# Altium PCB CANOPi_Baseboard.PcbDoc (part 3 of 3)
Units mm, origin at the board's own origin, x right, y up, seen from the top; angles counter-clockwise.
Board outline 92 x 56 mm, 4 copper layers (Top Layer, Int2 (Sign), Int3 (Sign), Bottom Layer), stack 1.624 mm thick; 181 components, 118 nets, 788 pads, 409 vias.
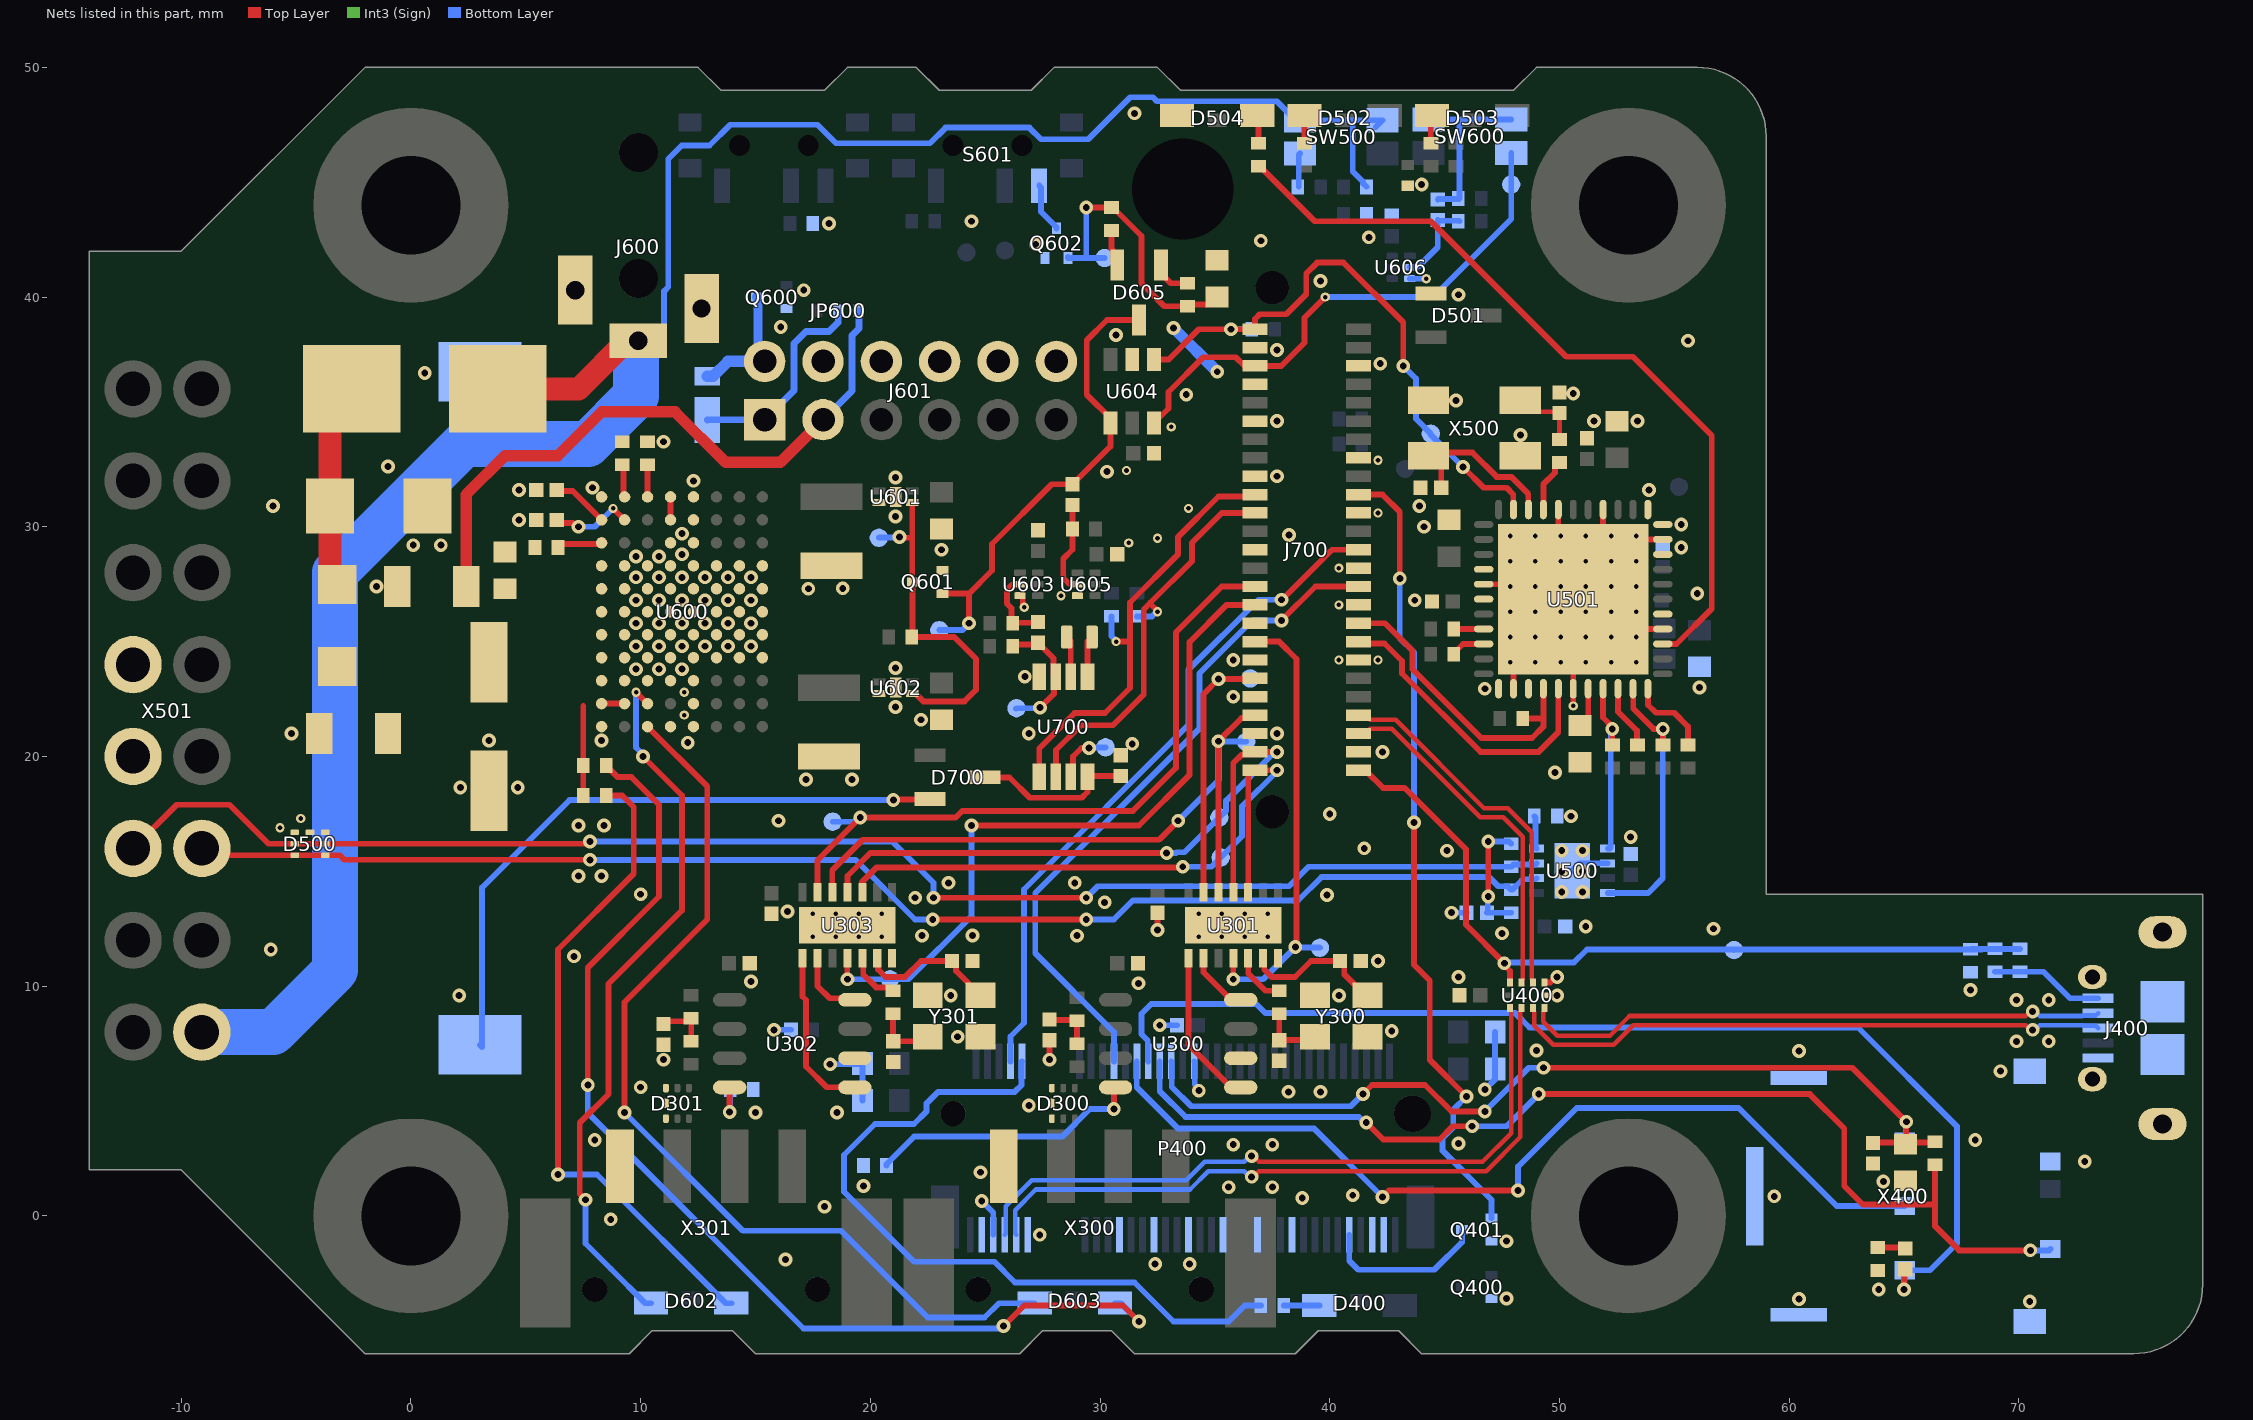
[diagram p5: the nets of this part, all layers, seen from the top]

## Via types
v1: diameter 0.6, hole 0.3, Top Layer to Bottom Layer, tented both sides, 284 vias
v2: diameter 0.5, hole 0.2, Top Layer to Bottom Layer, 50 vias
v3: diameter 0.6, hole 0.3, Top Layer to Bottom Layer, tented top, 33 vias
v4: diameter 0.4, hole 0.2, Top Layer to Bottom Layer, tented both sides, 32 vias
v5: diameter 0.6, hole 0.3, Top Layer to Bottom Layer, 6 vias
v6: diameter 0.5, hole 0.2, Top Layer to Bottom Layer, tented bottom, 2 vias
v7: diameter 0.4, hole 0.2, Top Layer to Bottom Layer, tented top, 2 vias

## Nets (pads, with @x,y where several pads share a name; then routed paths per layer and width w, separated by ;. In a path a pad name is that pad's centre, name@x,y a point inside that pad or via, vN(x,y) a via of type N, cw(c..) or ccw(c..) an arc to the next point about the centre after c; other vN are vias at no path point) (continued)
GND: BT700.V- C300.2 C301.1 C302.1 C303.2 C304.1 C305.1 C306.1 C307.1 C308.1 C309.1 C310.1 C311.1 C400.2 C401.2 C402.1 C403.2 C404.2 C406.2 C407.2 C500.1 C501.1 C502.2 C503.1 C504.2 C505.2 C506.1 C507.1 C508.2 C509.1 C510.2 C511.1 C512.1 C600.2 C601.1 C602.1 C603.1 C604.1 C605.2 C606.2 C607.2 C608.1 C609.2 C612.2 C613.2 C614.2 C616.2 C617.2 C700.1 D300.3 D300.4 D300.7 D301.3 D301.4 D301.7 D500.3 D500.4 D500.7 D501.1 D504.C D601.A J400.5 J400.Shell J600.2 J600.3 J601.4 J601.6 J601.8 J601.10 J601.12 J700.3 J700.6 J700.10 J700.13 J700.14 J700.18 J700.19 J700.23 J700.26 J700.29 J700.34 J700.35 J700.40 J700.44 J700.45 J700.48 JP500.1 MP1.1 P400.3 P400.5 P400.11 P400.27 P400.33 P400.39 P400.40 P400.45 P400.51 P400.57 P400.71 P400.73 Q400.S Q401.S Q600.S Q601.S Q602.S R306.2 R307.2 R400.1 R404.1 R504.2 R505.2 R602.2 R603.1 R605.1 R610.1 U300.2 U301.7 U301.15 U302.2 U303.7 U303.15 U400.5 U400.6 U500.2 U500.9 U501.1 U501.2 U501.3 U501.6 U501.15 U501.16 U501.20 U501.21 U501.22 U501.23 U501.26 U501.29 U501.37 U501.38 U501.39 U501.45 U600.A1 U600.A5 U600.B5 U600.C4 U600.C5 U600.D2 U600.D3 U600.D4 U600.D5 U600.D6 U600.D7 U600.D8 U600.E2 U600.E3 U600.E4 U600.E5 U600.E6 U600.E7 U600.E8 U600.F2 U600.F3 U600.F4 U600.F5 U600.F6 U600.F7 U600.F8 U600.G2 U600.G3 U600.G4 U600.G5 U600.G6 U600.G7 U600.G8 U600.H2 U600.H3 U600.H4 U600.H5 U600.H6 U600.H7 U600.H8 U600.J2 U600.J3 U600.J4 U600.J5 U600.K5 U600.L1 U600.L4 U600.L5 U601.2 U601.5 U602.2 U602.5 U603.3 U604.2 U605.3 U606.3 U700.4 X300.1 X301.1 X400.6 X400.7 X500.2 X500.4 X501.4 X501.5 Y300.2 Y300.4 Y301.2 Y301.4 | length 47.7
  Top Layer w0.254: U603.3@26.515,27 26.61,27 26.633,26.977 26.633,26.607 26.7,26.54 v4(26.7,26.5) ; v1(27.8,6.8) C300.2@27.8,7.65 ; v1(32.5,12.45) C305.1@32.5,13.2 ; U501.38@46.7,27.5 49.95,27.5 U501.29@49.95,30.75 ; U501.2@48,22.95 48,24.25 v2(48.95,25.2) v2(50.05,26.3) U501.45@50.6,26.85 ; U400.6@49.35,10.16 49.602,10.16 v1@49.721,10.279 ; U400.5@49.41,9.6 v1@49.602,9.6 ; v2(50.05,27.4) U501.45@50.6,26.85 ; v4(50.6,22.2) U501.6@50.6,22.95 U501.45@50.6,26.85 ; U501.26@51.9,30.75 U501.45@51.9,28.15 ; U501.15@54.5,25.55 51.9,25.55 U501.45@50.6,26.85 ; U501.21@54.5,29.45 53.2,29.45 v2(52.25,28.5) U501.45@51.9,28.15 ; U501.45@50.6,26.85 v2(51.15,27.4) U501.45@51.9,28.15
  Bottom Layer w0.254: v1(15.8,8.1) C309.1@16.55,8.1 ; v1(18.25,6.6) 19.63,6.6 C401.2@19.655,6.625 C400.2@19.655,5.025 ; v1(24.85,0.65) 25.35,0.15 P400.5@25.35,-0.825 ; v1(32.6,8.3) C306.1@33.35,8.3 ; P400.40@34.1,6.725 34.123,6.702 34.123,5.721 34.3,5.544 v1(34.3,5.45) ; U606.3@43.485,40.8 v4(44.2,40.8) ; v1(45.3,13.2) C502.2@45.95,13.2 ; v1(46.75,5.5) 47.2,5.95 C404.2@47.2,6.4 C403.2@47.2,8 ; U500.9@50.55,15.025 50.875,15.35 U500.2@52.1,15.35
  Bottom Layer w0.5: v1(33.2,38.65) v1(35.1,36.75)
  other v1: 70.472,-3.728 60.422,-3.622 47.7,-3.6 63.9,-3.2 32.4,-2.1 33.9,-2.1 16.3,-1.9 47.7,-1.1 27.375,-0.825 8.7,-0.15 18,0.4 38.8,0.775 59.35,0.85 41,0.9 35.6,1.25 37.5,1.25 19.7,1.3 64.1,1.5 24.8,1.9 72.87,2.37 35.8,3.1 37.5,3.1 45.6,3.15 8,3.3 68.1,3.3 15,4.5 18.55,4.5 26.9,4.8 38.2,5.4 39.6,5.4 10,5.6 69.2,6.3 11,6.8 60.422,7.178 49,7.2 69.9,7.6 71.3,7.6 23.8,7.8 42.7,8.05 69.9,9.4 71.3,9.4 2.1,9.6 23.5,9.6 40.4,9.6 49.9,9.6 67.9,9.833 31.675,10.125 14.8,10.2 45.6,10.4 49.9,10.4 42.1,11.1 7.1,11.3 -6.1,11.6 22.25,12.2 24.45,12.204 29,12.2 47.5,12.3 56.7,12.5 51.143,12.6 16.392,13.25 30.2,13.65 21.95,13.85 39.878,13.97 10,14 23.4,14.5 28.9,14.5 7.3,14.8 8.3,14.8 45.1,15.9 41.5,16 53.1,16.5 7.3,17 8.4,17 16,17.2 50.5,17.4 40,17.5 2.15,18.65 4.65,18.65 17.2,19 19.2,19 49.8,19.3 42.3,20.2 31.4,20.55 3.4,20.7 8.3,20.7 -5.2,21 26.9,21 37.7,21 22.2,21.6 21.1,22.15 35.8,22.6 46.75,22.95 56.1,23 26.725,23.475 21.1,23.85 35.8,24.2 43.7,26.8 56,27.1 17.3,27.3 18.8,27.321 -1.5,27.4 23.1,29 55.3,29.1 0.1,29.2 1.3,29.2 38.22,29.64 44.1,30 55.3,30.1 4.7,30.3 21.1,30.45 -6,30.9 43.9,30.9 4.7,31.6 53.9,31.6 7.9,31.7 21.1,32.15 37.7,32.2 30.3,32.4 -1,32.625 11,33.7 48.3,34 37.7,34.6 51.5,34.6 53.4,34.6 45.5,35.5 33.75,35.75 50.6,35.8 0.6,36.7 42.2,37.1 37.7,37.7 55.6,38.1 30.7,38.35 16.1,38.7 45.6,40.1 17.1,40.3 39.6,40.7 27.2,42.3 37,42.45 41.7,42.6 18.2,43.2 24.4,43.3 44,44.9 31.5,48
  other v2: 17.5,12.15 18.5,12.15 19.5,12.15 20.5,12.15 34.3,12.15 35.3,12.15 36.3,12.15 37.3,12.15 17.5,13.15 18.5,13.15 19.5,13.15 20.5,13.15 34.3,13.15 35.3,13.15 36.3,13.15 37.3,13.15 47.85,24.1 48.95,24.1 50.05,24.1 51.15,24.1 52.25,24.1 53.35,24.1 47.85,25.2 50.05,25.2 51.15,25.2 52.25,25.2 53.35,25.2 47.85,26.3 48.95,26.3 51.15,26.3 52.25,26.3 47.85,27.4 48.95,27.4 52.25,27.4 47.85,28.5 48.95,28.5 50.05,28.5 51.15,28.5 53.35,28.5 47.85,29.6 48.95,29.6 50.05,29.6 51.15,29.6 52.25,29.6 53.35,29.6
  other v3: 12.05,20.6 9.8,23.8 10.8,23.8 11.8,23.8 9.8,24.8 10.8,24.8 11.8,24.8 12.8,24.8 13.8,24.8 14.8,24.8 9.8,25.8 10.8,25.8 11.8,25.8 12.8,25.8 13.8,25.8 14.8,25.8 9.8,26.8 10.8,26.8 11.8,26.8 12.8,26.8 13.8,26.8 14.8,26.8 9.8,27.8 10.8,27.8 11.8,27.8 12.8,27.8 13.8,27.8 14.8,27.8 9.8,28.7 10.8,28.7 11.8,28.8 11.8,29.7 12.3,32
  other v4: -5.7,16.9 -4.8,17.3 40.4,24.2 42.1,24.2 40.4,26.6 28.3,27 40.4,28.2 31.25,29.3 32.5,29.5 42.1,30.6 33.85,30.8 31.15,32.45 42.1,32.9 33.1,34.35
  other v5: 50.1,14.1 51,14.1 50.1,15 51,15 50.1,15.9 51,15.9
  other v6: 53.35,26.3 53.35,27.4
  other v7: 11.9,21.8 11.9,22.8
HS_CAN_RX: R516.1 U500.4 U501.10 | length 12.4
  Top Layer w0.254: U501.10@53.2,22.95 53.209,22.941 53.209,22.091 54.1,21.2 v1(54.5,21.2) R516.1@54.5,20.5
  Bottom Layer w0.254: U500.4@52.1,14.05 53.85,14.05 54.5,14.7 v1(54.5,21.2)
HS_CAN_TX: R510.1 U500.1 U501.8 | length 7.9
  Top Layer w0.254: U501.8@51.9,22.95 51.9,21.694 52.3,21.294 v1(52.3,21.2) R510.1@52.3,20.5
  Bottom Layer w0.254: U500.1@52.1,16 52.186,16 52.234,16.048 52.234,21.134 v1(52.3,21.2)
HS_CANH: D500.2 D500.5 R500.2 U500.7 X501.6 | length 64.6
  Top Layer w0.254: X501.6@-12.1,16 -10.2,17.9 -7.9,17.9 -6.2,16.2 D500.5@-5.065,16.2 D500.2@-3.735,16.2 7.606,16.2 7.706,16.3 v1(7.8,16.3) ; v1(22.75,13.85) v1(29.4,13.85)
  Bottom Layer w0.254: v1(7.8,16.3) 20.95,16.3 22.75,14.5 v1(22.75,13.85) ; v1(29.4,13.85) 29.9,14.35 38.226,14.35 39.076,15.2 R500.2@47.9,15.2 48.002,15.302 48.952,15.302 U500.7@49,15.35
HS_CANL: D500.1 D500.6 R501.1 U500.6 X501.14 | length 60.6
  Top Layer w0.254: X501.14@-9.1,16 -8.802,15.702 -5.067,15.702 D500.6@-5.065,15.7 D500.1@-3.735,15.7 -3.094,15.7 -2.9,15.506 7.7,15.506 7.7,15.5 v1(7.8,15.5) ; v1(22.718,12.903) 22.72,12.902 29.398,12.902 v1(29.4,12.9)
  Bottom Layer w0.254: v1(7.8,15.5) 19.35,15.5 21.947,12.903 v1(22.718,12.903) ; v1(29.4,12.9) 30.6,12.9 31.427,13.727 38.619,13.727 39.638,14.746 46.941,14.746 47.339,14.348 47.752,14.348 R501.1@47.9,14.2 47.95,14.2 48.348,14.598 48.36,14.598 48.414,14.652 48.952,14.652 U500.6@49,14.7
I2C_SCL: J700.30 R700.1 U700.6 | length 18.2
  Top Layer w0.254: U700.6@28.075,19.125 28.081,19.131 28.081,20.281 29.16,21.36 30.56,21.36 31.9,22.7 31.9,26.4 32.2,26.7 ; v4(32.5,26.3) 32.5,26.34 32.2,26.64 32.2,26.7 ; J700.30@36.75,30.6 35.3,30.6 34,29.3 34,28.5 32.2,26.7
  Bottom Layer w0.254: R700.1@31.6,26.1 32.26,26.1 32.46,26.3 v4(32.5,26.3)
I2C_SDA: J700.32 R701.1 U700.5 | length 19.6
  Top Layer w0.254: U700.5@27.35,19.125 27.35,20.35 28.894,21.894 30.212,21.894 31.3,22.982 31.3,25 ; v4(30.7,25) 31.3,25 ; J700.32@36.75,31.4 36.669,31.319 35.159,31.319 33.4,29.56 33.4,28.8 31.3,26.7 31.3,25
  Bottom Layer w0.254: R701.1@30.5,26.1 30.5,25.24 30.7,25.04 v4(30.7,25)
LED_STATUS: R515.2 U501.14 | length 34.9
  Top Layer w0.254: R515.2@36.9,45.7 36.95,45.7 39.35,43.3 44.4,43.3 50.3,37.4 53.2,37.4 56.627,33.973 56.627,26.427 55.1,24.9 U501.14@54.5,24.9
LOCKDOWN: C611.1 D605.3 Q601.G TP603.1 U604.4 | length 21
  Top Layer w0.254: Q601.G@23.145,27.1 24.3,27.1 ; v1(24.3,25.8) 24.3,27.1 ; D605.3@31.7,39 30.3,39 29.423,38.123 29.423,35.752 30.45,34.725 U604.4@30.45,34.525 30.45,33.5 C611.1@28.8,31.85 27.9,31.85 25.3,29.25 25.3,28.1 24.3,27.1
  Bottom Layer w0.254: TP603.1@23,25.5 24,25.5 v1(24.3,25.8)
MISO_CAN: J700.8 TP302.1 U301.12 U303.12 | length 31.1
  Top Layer w0.254: U303.12@18.342,14.04 18.342,15.042 19.673,16.373 32.573,16.373 v1(33.4,17.2) ; U301.12@35.15,14.04 U301.12@35.15,14.09 v1(35.15,20.662) 36.165,21.677 36.627,21.677 J700.8@36.75,21.8
  Bottom Layer w0.254: v1(33.4,17.2) 35.15,18.95 v1(35.15,20.662) 35.161,20.651 36.349,20.651 TP302.1@36.36,20.64
MOSI_CAN: J700.4 TP301.1 U301.11 U303.11 | length 29.8
  Top Layer w0.254: U303.11@18.992,14.04 19,14.048 U303.11@19,14.09 19,14.8 20,15.8 v1(32.9,15.8) ; U301.11@35.8,14.04 U301.11@35.8,14.09 35.8,19.712 36.165,20.077 36.627,20.077 J700.4@36.75,20.2 v1(37.7,20.2)
  Bottom Layer w0.254: v1@32.834,15.866 v1(32.9,15.8) 33.313,15.8 33.34,15.827 33.677,15.827 TP301.1@35.193,17.343 35.49,17.64 35.49,18.077 37.613,20.2 v1(37.7,20.2)
nCS1_CAN: J700.12 TP303.1 U301.13 | length 12.6
  Top Layer w0.254: U301.13@34.5,14.04 U301.13@34.5,14.09 34.5,22.71 v1(35.16,23.37) 36.72,23.37 J700.12@36.75,23.4
  Bottom Layer w0.254: v1(35.16,23.37) 35.175,23.385 36.525,23.385 TP303.1@36.54,23.4
nCS2_CAN: J700.22 TP305.1 U303.13 | length 30.2
  Top Layer w0.254: U303.13@17.692,14.04 17.692,15.472 v1(19.56,17.34) 23.713,17.34 24,17.627 31.427,17.627 33.3,19.5 33.3,25.4 35.3,27.4 J700.22@36.75,27.4
  Bottom Layer w0.254: TP305.1@18.36,17.16 19.286,17.16 19.466,17.34 v1(19.56,17.34)
NetC300_1: C300.1 R300.1 R301.2 | length 2.2
  Top Layer w0.254: C300.1@27.8,8.55 27.825,8.525 28.975,8.525 R301.2@29,8.5 R300.1@29,7.5
NetC302_2: C302.2 R302.1 Y300.3 | length 2.8
  Top Layer w0.254: R302.1@37.8,8.8 C302.2@37.8,7.65 39.2,7.65 Y300.3@39.35,7.8
NetC303_1: C303.1 R303.1 R304.2 | length 2.3
  Top Layer w0.254: C303.1@11,8.35 11.125,8.475 12.075,8.475 R304.2@12.2,8.6 R303.1@12.2,7.6
NetC311_2: C311.2 R305.1 Y301.3 | length 2.8
  Top Layer w0.254: R305.1@20.992,8.8 C311.2@20.992,7.6 22.3,7.6 Y301.3@22.5,7.8
NetC405_1: C405.1 R404.2 | length 1.2
  Top Layer w0.254: R404.2@63.855,-1.375 65.005,-1.375 C405.1@65.055,-1.425
NetC502_1: C502.1 R500.1 R501.2 | length 5.2
  Top Layer w0.254: v1@46.846,16.246 46.9,16.191 v1(46.9,13.9)
  Bottom Layer w0.254: v1(46.9,13.9) 46.875,13.875 46.875,13.225 C502.1@46.85,13.2 R501.2@47.9,13.2 ; v1(46.9,16.3) 47.8,16.3 R500.1@47.9,16.2
NetC510_1: C510.1 U501.7 | length 1.8
  Top Layer w0.254: C510.1@50.9,21.35 50.927,21.35 51.25,21.673 U501.7@51.25,22.95
NetC511_2: C511.2 R514.2 X500.1 | length 3.1
  Top Layer w0.2: X500.1@48.3,35.5 48.8,35 49.95,35 C511.2@50,34.95 R514.2@50,33.8
NetC606_1: C606.1 U600.B1 | length 2.5
  Top Layer w0.254: C606.1@6.35,31.6 6.391,31.559 7.041,31.559 U600.B1@8.3,30.3
NetC607_1: C607.1 U600.B2 | length 3.6
  Top Layer w0.254: C607.1@6.35,30.3 6.485,30.165 7.041,30.165 7.206,30 v1(7.3,30) ; v4(8.8,30.8) U600.B2@9.3,30.3
  Bottom Layer w0.254: v1(7.3,30) 8,30 v4(8.8,30.8)
NetC610_1: C610.1 R607.1 U603.2 | length 3.4
  Top Layer w0.254: U603.2@26.515,27.5 26.492,27.477 26.164,27.477 25.943,27.256 25.943,26.657 26.144,26.456 26.144,25.806 26.15,25.8 26.175,25.825 27.275,25.825 C610.1@27.3,25.85
NetC611_2: C611.2 R609.1 U605.2 | length 4.1
  Top Layer w0.254: C611.2@28.8,30.95 R609.1@28.8,29.9 28.8,29.011 28.4,28.611 28.4,27.772 28.649,27.523 28.992,27.523 U605.2@29.015,27.5
NetC615_1: C615.1 R612.1 U606.2 | length 3.7
  Bottom Layer w0.254: U606.2@43.485,41.3 43.508,41.323 43.851,41.323 44.7,42.172 C615.1@44.7,43.35 44.725,43.325 45.625,43.325 R612.1@45.65,43.3
NetC615_2: C615.2 R611.1 SW600.2 SW600.2' | length 8
  Bottom Layer w0.254: SW600.2@44.3,47.725 45.7,47.725 ; C615.2@44.7,44.25 44.725,44.275 45.625,44.275 45.65,44.3 45.65,47.675 45.7,47.725 ; SW600.2'@47.9,47.725 45.7,47.725
NetC617_1: C617.1 Q602.G R613.1 R614.1 TP605.1 | length 12.7
  Top Layer w0.254: v1(29.4,43.9) R614.1@30.5,43.9 30.562,43.9 31.8,42.662 31.8,40.6 32.8,39.6 33.6,39.6 33.677,39.677 34.777,39.677 C617.1@35.1,40
  Bottom Layer w0.254: Q602.G@28.6,41.755 Q602.G@28.6,41.7 29.4,41.7 ; v1(29.4,43.9) 29.4,41.7 ; TP605.1@30.2,41.7 29.4,41.7
NetD400_C: D400.C R402.2 | length 1.6
  Bottom Layer w0.254: R402.2@38,-3.9 D400.C@39.55,-3.9
NetD502_C: D502.C R511.2 | length 1.2
  Top Layer w0.254: R511.2@38.9,46.7 D502.C@38.9,47.9
NetD503_C: D503.C R513.2 | length 1.2
  Top Layer w0.254: R513.2@44.4,46.7 44.4,47.85 D503.C@44.45,47.9
NetD504_A: D504.A R515.1 | length 1.2
  Top Layer w0.254: D504.A@36.85,47.9 36.9,47.85 R515.1@36.9,46.7
NetD600_2: D600.2 D601.C F600.2 | length 9
  Top Layer w1: D600.2@-3.2,27.49 -3.525,27.815 D601.C@-3.525,30.9 -3.525,35.06 F600.2@-2.585,36
NetD602_A: D602.A R600.2 | length 28.6
  Top Layer w0.254: v1(6.4,1.8) 6.4,11.6 9.7,14.9 9.7,17.8 9.2,18.3 R600.2@8.5,18.3
  Bottom Layer w0.254: v1(6.4,1.8) 8.1,1.8 13.7,-3.8 D602.A@13.95,-3.8
NetD603_A: D603.A R601.2 | length 47.7
  Top Layer w0.254: v1(7.7,5.7) 7.7,10.8 10.8,13.9 10.8,17.9 9.6,19.1 9,19.1 8.698,19.402 8.648,19.402 8.5,19.55 R601.2@8.5,19.6 ; v1(25.8,-4.8) 26.7,-3.9 31,-3.9 v1(31.7,-4.6)
  Bottom Layer w0.254: v1(7.7,5.7) 7.7,4.487 17.087,-4.9 25.7,-4.9 v1(25.8,-4.8) ; D603.A@30.65,-3.8 30.9,-3.8 v1(31.7,-4.6)
NetD604_1: D604.1 J601.1 JP600.1 | length 9.2
  Bottom Layer w0.3: D604.1@12.9,34.65 12.91,34.66 J601.1@15.4,34.66 16.68,35.94 16.68,37.98 17.2,38.5 18.2,38.5 18.6,38.9 JP600.1@18.6,39.4
NetD604_2: D604.2 J601.2 Q600.D | length 5.7
  Bottom Layer w0.254: J601.2@15.11,37.49 J601.2@15.4,37.2
  Bottom Layer w0.4: Q600.D@15.055,40 15.11,39.945 J601.2@15.11,37.49
  Bottom Layer w0.5: D604.2@12.9,36.55 13.15,36.55 13.8,37.2 J601.2@15.4,37.2
NetD605_1: D605.1 R613.2 | length 1.7
  Top Layer w0.254: D605.1@32.65,41.4 32.65,41.025 33.075,40.6 R613.2@33.8,40.6
NetD605_2: D605.2 R614.2 | length 1.6
  Top Layer w0.254: R614.2@30.5,42.9 30.5,42.1 30.577,42.023 30.577,41.573 D605.2@30.75,41.4
NetP400_10: P400.10 R402.1 | length 32.6
  Bottom Layer w0.254: P400.10@26.6,6.725 26.577,6.702 26.577,5.69 26.287,5.4 22.95,5.4 22.45,4.9 22.45,4.55 21.9,4 20.2,4 18.85,2.65 18.85,1.05 21.9,-2 25.4,-2 26.3,-2.9 31.5,-2.9 33.2,-4.6 35.6,-4.6 36.3,-3.9 R402.1@37,-3.9
NetQ601_D: Q601.D R604.1 TP600.1 U601.3 U602.3 | length 15
  Top Layer w0.254: v1(21.27,29.55) 21.3,29.52 21.825,29.52 ; U602.3@21.825,22.75 21.95,22.75 22.3,22.4 24.1,22.4 24.6,22.9 24.6,24.25 23.65,25.2 R604.1@21.8,25.2 21.828,25.227 21.828,27.573 Q601.D@21.855,27.6 21.825,27.63 21.825,29.52 ; U601.3@21.825,31.05 21.825,29.52
  Bottom Layer w0.254: TP600.1@20.37,29.52 20.385,29.535 21.255,29.535 v1(21.27,29.55)
NetQ602_D: Q602.D S601.3 | length 2.2
  Bottom Layer w0.254: S601.3@27.35,44.85 27.426,44.774 27.426,43.719 28.1,43.045 Q602.D@28.1,42.99
NetR306_1: R306.1 U300.8 | length 11.9
  Top Layer w0.254: v1(30.6,4.65) 30.6,5.52 U300.8@30.675,5.595
  Bottom Layer w0.254: R306.1@20.7,2.2 20.7,2.25 21.9,3.45 28.35,3.45 29.55,4.65 v1(30.6,4.65)
NetR307_1: R307.1 U302.8 | length 2.1
  Top Layer w0.254: v1(13.875,4.525) U302.8@13.875,5.595
  Bottom Layer w0.254: v1(13.875,4.525) 13.887,4.538 13.887,5.487 R307.1@13.9,5.5
NetR502_2: R502.2 SW500.1 | length 1.5
  Bottom Layer w0.254: R502.2@38.65,44.8 38.65,46.2 SW500.1@38.7,46.25
NetR504_1: R504.1 U500.8 | length 1.4
  Bottom Layer w0.254: R504.1@48.9,17.4 48.95,17.35 48.95,16.048 48.998,16 U500.8@49,16
NetR517_1: R517.1 U501.11 | length 3.6
  Top Layer w0.254: U501.11@53.85,22.95 53.859,22.941 53.859,22.241 54.2,21.9 55,21.9 55.6,21.3 R517.1@55.6,20.5
NetR518_1: R518.1 U501.9 | length 2.8
  Top Layer w0.254: U501.9@52.55,22.95 52.55,21.95 53.375,21.125 53.375,20.525 R518.1@53.4,20.5
NetR519_1: R519.1 U501.42 | length 1.5
  Top Layer w0.254: R519.1@45.4,24.45 45.4,24.5 45.8,24.9 U501.42@46.7,24.9
NetR520_1: R520.1 U501.41 | length 1.3
  Top Layer w0.254: R520.1@45.4,25.55 U501.41@46.7,25.55
NetR602_1: R602.1 U600.C1 | length 2
  Top Layer w0.254: R602.1@6.4,29.1 6.4,29.105 6.548,29.253 8.253,29.253 U600.C1@8.3,29.3
NetR603_2: R603.2 U600.A3 | length 1.4
  Top Layer w0.254: U600.A3@10.3,31.3 R603.2@10.3,32.7
NetR605_2: R605.2 U600.A2 | length 1.4
  Top Layer w0.254: R605.2@9.2,32.7 9.253,32.647 9.253,31.347 U600.A2@9.3,31.3
NetTP701_1: TP701.1 U700.7 | length 2.5
  Top Layer w0.254: U700.7@28.725,19.125 28.823,19.223 28.823,20.003 29.19,20.37 v1(29.52,20.37)
  Bottom Layer w0.254: v1(29.52,20.37) 29.535,20.385 30.225,20.385 TP701.1@30.24,20.4
NetU600_A4: U600.A4 U600.B4 | length 1
  Top Layer w0.254: U600.B4@11.3,30.3 U600.A4@11.3,31.3
NetU700_1: U700.1 Y700.1 | length 1.8
  Top Layer w0.254: U700.1@29.45,23.475 29.45,25 Y700.1@29.65,25.2
NetU700_2: U700.2 Y700.2 | length 1.8
  Top Layer w0.254: Y700.2@28.55,25.2 28.725,25.025 U700.2@28.725,23.475
nINT1_CAN: J700.16 TP304.1 U301.4 | length 19.9
  Top Layer w0.254: v1(35.8,10.3) U301.4@35.8,11.16 ; J700.16@36.75,25 37.8,25 38.552,24.248 38.552,11.752 v1(38.5,11.7)
  Bottom Layer w0.254: v1(35.8,10.3) 37.1,10.3 v1(38.5,11.7) 38.515,11.685 39.555,11.685 TP304.1@39.57,11.67
nINT2_CAN: J700.20 TP306.1 U303.4 | length 31.1
  Top Layer w0.254: U303.4@18.992,11.16 18.996,11.156 18.996,10.304 v1(19,10.3) ; v1(24.4,17) 31.7,17 33.9,19.2 33.9,24.987 35.513,26.6 J700.20@36.75,26.6
  Bottom Layer w0.254: v1(19,10.3) TP306.1@20.85,10.3 21.65,10.3 24.4,13.05 v1(24.4,17)
nINT_RTC: C610.2 R606.1 TP700.1 U700.3 | length 5.7
  Top Layer w0.254: R606.1@26.15,24.8 26.225,24.875 27.225,24.875 C610.2@27.3,24.95 27.977,24.273 27.977,23.573 U700.3@28.075,23.475 27.992,23.392 27.992,22.727 v1(27.39,22.125)
  Bottom Layer w0.254: TP700.1@26.34,22.08 TP700.1@26.362,22.102 27.367,22.102 v1(27.39,22.125) v1@27.39,22.11
OSC1: R514.1 U501.30 | length 2.5
  Top Layer w0.254: U501.30@49.3,30.75 49.3,31.85 49.802,32.352 49.802,32.752 49.95,32.9 R514.1@50,32.9
OSC1_1: C301.2 U301.6 Y300.1 | length 6.2
  Top Layer w0.254: U301.6@37.1,11.16 37.148,11.112 37.148,10.725 37.471,10.402 38.49,10.402 39.188,11.1 C301.2@40.45,11.1 40.633,10.917 40.633,10.517 41.55,9.6 Y300.1@41.65,9.6
OSC1_2: C310.2 U303.6 Y301.1 | length 6.2
  Top Layer w0.254: U303.6@20.292,11.16 20.34,11.112 20.34,10.725 20.663,10.402 21.502,10.402 22.2,11.1 C310.2@23.55,11.1 23.733,10.917 23.733,10.667 24.277,10.123 24.277,10.023 24.7,9.6 Y301.1@24.8,9.6
OSC2: C512.2 U501.31 X500.3 | length 7.5
  Top Layer w0.254: C512.2@44.85,31.7 44.85,32.627 44.377,33.1 X500.3@44.3,33.1 44.427,33.227 46.211,33.227 47.265,32.173 47.9,32.173 48.641,31.432 48.641,30.759 U501.31@48.65,30.75
OSC2_1: R302.2 U301.5 | length 2.3
  Top Layer w0.254: U301.5@36.45,11.16 36.45,10.55 37.2,9.8 R302.2@37.8,9.8
OSC2_2: R305.2 U303.5 | length 2.3
  Top Layer w0.254: U303.5@19.642,11.16 19.69,11.112 19.69,10.51 20.252,9.948 20.844,9.948 R305.2@20.992,9.8
PG_3V3: D602.C U600.K3 | length 31.4
  Top Layer w0.254: v1(7.6,0.7) 7.35,0.95 7.35,4.05 8.6,5.3 8.6,10.1 11.8,13.3 11.8,18.3 v1(10.1,20) ; v4(9.8,22.8) U600.K3@10.3,22.3
  Bottom Layer w0.254: v1(7.6,0.7) 7.6,-1.2 8.713,-2.313 10.2,-3.8 D602.C@10.45,-3.8 ; v4(9.8,22.8) 9.8,20.394 10.1,20.094 v1(10.1,20)
PG_5V: D603.C U600.L3 | length 41.2
  Top Layer w0.254: v1(9.3,4.5) 9.3,9.3 12.9,12.9 12.9,18.7 U600.L3@10.3,21.3
  Bottom Layer w0.254: v1(9.3,4.5) 14.45,-0.65 18.723,-0.65 22.5,-4.427 24.973,-4.427 25.6,-3.8 D603.C@27.15,-3.8
PI-RX_STN-TX: J700.17 R508.1 U501.4 | length 13.4
  Top Layer w0.254: J700.17@41.25,25.8 42.4,25.8 43.6,24.6 43.6,23.8 46.6,20.8 48.8,20.8 49.3,21.3 49.3,21.6 ; R508.1@48.4,21.65 49.25,21.65 49.3,21.6 ; U501.4@49.3,22.95 49.3,21.6
PI-TX_STN-RX: J700.15 U501.5 | length 13.3
  Top Layer w0.254: J700.15@41.25,25 41.331,24.919 42.381,24.919 43.146,24.154 43.146,23.612 46.558,20.2 49.1,20.2 49.95,21.05 U501.5@49.95,22.95
RESET#: P400.67 Q401.D | length 7.2
  Bottom Layer w0.254: P400.67@40.85,-0.825 40.85,-1.95 41.246,-2.346 44.554,-2.346 45.755,-1.145 Q401.D@45.755,-0.6
RESET_LTE_MODUL: J700.31 Q401.G | length 35.5
  Top Layer w0.254: J700.31@41.127,31.277 J700.31@41.25,31.4 42.3,31.4 43.05,30.65 v1(43.05,27.75) ; v1(43.667,17.121) 43.667,10.933 44.35,10.25 44.35,6.8 v1(45.95,5.2)
  Bottom Layer w0.254: v1(43.05,27.75) 43.05,25.15 43.667,24.533 v1(43.667,17.121) ; v1(45.95,5.2) 45.373,4.623 45.373,3.854 44.914,3.395 44.914,2.836 47.045,0.705 Q401.G@47.045,-0.1
RPI_RUNNING: J700.46 SW600.1' TP604.1 U604.6 | length 23.5
  Top Layer w0.254: U604.6@32.35,34.525 32.977,35.152 32.977,35.864 34.49,37.377 35.911,37.377 36.288,37 J700.46@36.75,37 37.887,37 38.9,38.013 38.9,39.1 v4(39.8,40)
  Bottom Layer w0.254: v4(39.8,40) 44.5,40 47.9,43.4 SW600.1'@47.9,46.275
RXCAN_1: U300.4 U301.2 | length 2.7
  Top Layer w0.254: U301.2@34.5,11.16 34.5,10.605 35.7,9.405 U300.4@36.125,9.405
RXCAN_2: U302.4 U303.2 | length 3
  Top Layer w0.254: U303.2@17.692,11.16 17.692,10.008 18.229,9.471 19.259,9.471 U302.4@19.325,9.405
SCK_CAN: J700.2 TP300.1 U301.10 U303.10 | length 28
  Top Layer w0.254: U303.10@19.642,14.04 19.642,14.542 20.273,15.173 33.573,15.173 v1(33.6,15.2) ; U301.10@36.446,14.04 36.448,14.042 36.448,19.277 36.571,19.4 J700.2@36.75,19.4 v1(37.7,19.4)
  Bottom Layer w0.254: v1@33.573,15.173 v1(33.6,15.2) ; v1@33.6,15.25 v1(33.6,15.2) ; v1(37.7,19.4) 37.7,19.35 36.18,17.83 36.18,16.53 TP300.1@35.25,15.6 34.85,15.2 v1(33.6,15.2)
STN_RUNNING: J700.50 R507.1 TP500.1 U501.32 U604.1 | length 26.1
  Top Layer w0.254: U604.1@32.35,37.275 32.975,37.275 34.3,38.6 v1(35.7,38.6) J700.50@36.75,38.6 36.75,39.05 36.95,39.25 38.1,39.25 38.973,40.123 38.973,41.023 39.45,41.5 40.6,41.5 43.2,38.9 v1(43.2,37) ; v1(45.8,32.6) 46.7,31.7 47.7,31.7 47.991,31.409 47.991,30.759 U501.32@48,30.75
  Bottom Layer w0.254: v1(35.7,38.6) R507.1@36.6,38.6 ; v1(43.2,37) 43.75,36.45 43.75,34.7 TP500.1@44.4,34.05 ; TP500.1@44.375,34.025 v1(45.8,32.6)
TURN_OFF_GNSS: J700.21 P400.26 | length 29.8
  Top Layer w0.254: v1(37.9,25.925) 39.375,27.4 J700.21@41.25,27.4
  Bottom Layer w0.254: P400.26@30.6,6.725 30.6,8.008 27.178,11.43 27.178,14.061 34.324,21.207 34.324,23.611 36.638,25.925 v1(37.9,25.925)
TURN_OFF_WWAN: J700.25 P400.8 | length 29.8
  Top Layer w0.254: v1(37.9,26.825) 37.925,26.825 40.1,29 J700.25@41.25,29
  Bottom Layer w0.254: P400.8@26.1,6.725 26.1,7.812 26.684,8.396 26.684,14.21 33.844,21.369 33.844,23.773 36.896,26.825 v1(37.9,26.825)
TXCAN_1: U300.1 U301.1 | length 6.8
  Top Layer w0.254: U301.1@33.85,11.16 33.85,7.445 35.7,5.595 U300.1@36.125,5.595
TXCAN_2: U302.1 U303.1 | length 7.2
  Top Layer w0.254: U303.1@17.042,11.16 17.05,11.152 17.05,9.55 17.2,9.4 17.2,6.5 18.1,5.6 19.32,5.6 U302.1@19.325,5.595
UIM1_CLK: C405.2 P400.32 X400.1 | length 49.7
  Top Layer w0.254: v1(65,-3.2) 65.028,-3.173 65.028,-2.353 C405.2@65.055,-2.325
  Bottom Layer w0.254: P400.32@32.1,6.725 32.077,6.748 32.077,7.635 31.8,7.912 31.8,8.8 32.225,9.225 36.8,9.225 37.198,8.827 48.073,8.827 48.7,8.2 63,8.2 67.3,3.9 67.3,-1.2 66.13,-2.37 X400.1@65.032,-2.37 65,-2.402 v1(65,-3.2)
UIM1_DATA: P400.34 R403.1 X400.4 | length 48.4
  Top Layer w0.254: v1(41.59,4.06) 42.327,3.323 44.773,3.323 45.35,3.9 v1(46.2,3.9) ; v1(49.1,5.3) 60.9,5.3 62.4,3.8 62.4,1.3 63.2,0.5 66.255,0.5 66.355,0.6 ; R403.1@66.355,2.225 66.355,0.6 ; v1(70.5,-1.5) 67.4,-1.5 66.355,-0.455 66.355,0.6
  Bottom Layer w0.254: P400.34@32.6,6.725 32.6,5.425 33.725,4.3 41.268,4.3 41.507,4.06 v1(41.59,4.06) ; v1(46.2,3.9) 47.7,3.9 v1(49.1,5.3) ; v1(70.5,-1.5) 71.312,-1.5 X400.4@71.372,-1.44
UIM1_PWR: C406.1 C407.1 P400.36 R403.2 X400.3 | length 40.6
  Top Layer w0.254: v1(41.442,5.3) 41.842,5.7 44.15,5.7 45.3,4.55 v1(46.75,4.55) ; v1(49.3,6.45) 62.75,6.45 v1(65.1,4.1) C406.1@65.1,3.2 ; C407.1@63.655,3.175 63.68,3.2 C406.1@65.1,3.2 ; C406.1@65.055,3.125 65.1,3.17 C406.1@65.1,3.2 ; R403.2@66.33,3.2 C406.1@65.1,3.2
  Bottom Layer w0.254: P400.36@33.1,6.725 33.123,6.702 33.123,5.615 33.965,4.773 40.915,4.773 v1(41.442,5.3) ; v1(46.75,4.55) 46.762,4.55 48.662,6.45 v1(49.3,6.45) ; X400.3@65.032,3.23 65.1,3.298 v1(65.1,4.1)
UIM1_RESET: P400.30 X400.2 | length 40.5
  Top Layer w0.254: v1(42.3,0.825) 42.575,1.1 v1(48.2,1.1)
  Bottom Layer w0.254: P400.30@31.6,6.725 31.6,5.6 33.402,3.798 39.327,3.798 v1(42.3,0.825) ; v1(48.2,1.1) 48.2,2.15 50.75,4.7 57.8,4.7 62.07,0.43 X400.2@65.032,0.43
USB_OTG: J700.1 R400.2 R401.2 R405.2 TP400.1 U400.9 | length 36
  Top Layer w0.254: J700.1@41.25,19.4 41.55,19.4 42.323,18.627 43.26,18.627 45.927,15.96 45.927,12.673 v1(47.6,11) 47.6,10.906 47.848,10.658 47.848,10.162 U400.9@47.85,10.16
  Bottom Layer w0.254: v1(47.6,11) 47.627,11.027 50.627,11.027 51.2,11.6 TP400.1@57.57,11.6 ; TP400.1@57.6,11.57 TP400.1@57.57,11.6 ; 68.4,11.6 R400.2@67.9,11.6 ; R401.2@70.055,11.625 70.042,11.613 67.912,11.613 R400.2@67.9,11.6 ; TP400.1@57.57,11.6 R400.2@67.9,11.6
USB_OTG_N: J400.2 U400.4 | length 25.6
  Top Layer w0.2: U400.4@49.35,9.04 49.325,9.015 49.325,8.915 49.3,8.89 49.3,8.45 49.9,7.85 52.2,7.85 53.05,8.7 70.292,8.7 70.492,8.9 v1(70.6,8.9)
  Bottom Layer w0.2: v1(70.6,8.9) 70.708,8.9 70.908,8.7 72.758,8.7 72.783,8.725 73.35,8.725 J400.2@73.45,8.825
USB_OTG_P: J400.3 U400.3 | length 26.2
  Top Layer w0.2: U400.3@48.85,9.04 48.875,9.015 48.875,8.915 48.9,8.89 48.9,8.284 49.734,7.45 52.366,7.45 53.216,8.3 70.292,8.3 70.492,8.1 v1(70.6,8.1)
  Bottom Layer w0.2: v1(70.6,8.1) 70.708,8.1 70.908,8.3 72.758,8.3 72.783,8.275 73.35,8.275 J400.3@73.45,8.175
USB_UP_N: J700.7 U400.7 | length 16.2
  Top Layer w0.2: J700.7@41.25,21.8 41.55,21.8 41.75,21.6 42.1,21.6 42.866,21.6 46.716,17.75 47.75,17.75 48.8,16.7 48.8,10.31 48.825,10.285 48.825,10.185 U400.7@48.85,10.16
USB_UP_P: J700.5 U400.8 | length 15.5
  Top Layer w0.2: J700.5@41.25,21 41.55,21 41.75,21.2 42.266,21.2 42.7,21.2 46.55,17.35 47.55,17.35 48.4,16.5 48.4,10.31 48.375,10.285 48.375,10.185 U400.8@48.35,10.16
USBH_N: P400.9 U400.2 | length 30.2
  Top Layer w0.2: v1(36.6,1.7) 36.667,1.7 36.917,1.95 46.816,1.95 48.3,3.434 48.3,8.89 48.325,8.915 48.325,9.015 U400.2@48.35,9.04
  Bottom Layer w0.2: P400.9@26.35,-0.825 26.3,-0.775 26.3,-0.05 26.3,0.25 27.2,1.15 33.916,1.15 34.716,1.95 36.283,1.95 36.533,1.7 v1(36.6,1.7)
USBH_P: P400.7 U400.1 | length 30.2
  Top Layer w0.2: v1(36.6,2.6) 36.667,2.6 36.917,2.35 46.65,2.35 47.9,3.6 47.9,8.89 47.875,8.915 47.875,9.015 U400.1@47.85,9.04
  Bottom Layer w0.2: P400.7@25.85,-0.825 25.9,-0.775 25.9,0.416 27.034,1.55 33.75,1.55 34.55,2.35 36.283,2.35 36.533,2.6 v1(36.6,2.6)
VBAT: BT700.V+ D700.2 | length 28.2
  Top Layer w0.254: v1(21,18.1) 21.025,18.125 22.575,18.125 D700.2@22.6,18.15
  Bottom Layer w0.254: BT700.V+@3,7.445 3.1,7.345 3.1,14.3 6.9,18.1 v1(21,18.1)
VBUS_OTG: J400.1 R401.1 R405.1 | length 5
  Bottom Layer w0.254: R405.1@68.955,10.625 R401.1@70.055,10.625 71.075,10.625 72.225,9.475 J400.1@73.45,9.475
VDD_RTC: C700.2 D700.3 U700.8 | length 7.1
  Top Layer w0.254: D700.3@25,19.1 25.018,19.082 26.056,19.082 26.938,18.2 29.2,18.2 29.45,18.45 U700.8@29.45,19.125 29.475,19.15 C700.2@30.9,19.15
VIN_FUSED: C600.1 C601.2 C602.2 C603.2 D600.1 J601.3 JP600.2 R600.1 R601.1 U600.D1 U600.E1 U600.F1 U600.G1 U600.H1 U600.J1 U600.K1 U600.K2 | length 33
  Top Layer w0.254: R600.1@7.5,18.3 R601.1@7.5,19.6 7.5,22.2 ; U600.K1@8.3,22.3 U600.K2@9.3,22.3
  Top Layer w0.5: C602.2@2.4,27.4 2.4,31.4 4.1,33.1 6.4,33.1 8.3,35 11.5,35 13.7,32.8 16.08,32.8 J601.3@17.94,34.66
  Bottom Layer w0.3: J601.3@17.94,34.66 19.2,35.92 19.2,38.333 19.5,38.633 JP600.2@19.5,39.4
VIN_OBD: F600.1 J600.1 R503.2 SW500.2 SW500.2' X501.16 | length 95.1
  Top Layer w1: F600.1@3.785,36 7.3,36 9.4,38.1 J600.1@9.9,38.1
  Bottom Layer w0.254: J600.1@9.9,38.1 10.4,38.1 11.023,38.723 11.023,40.258 11.2,40.435 11.2,46.012 11.788,46.6 13,46.6 13.9,47.5 17.7,47.5 18.5,46.7 22.6,46.7 23.277,47.377 26.922,47.377 27.426,46.873 29.486,46.873 31.313,48.7 32.3,48.7 32.473,48.527 37.698,48.527 SW500.2@38.525,47.7 ; SW500.2@38.7,47.7 41,47.7 ; R503.2@41.6,44.8 41.452,44.948 41.452,45.01 41,45.462 41,47.7 ; SW500.2'@42,47.4 SW500.2'@42.3,47.7 41,47.7
  Bottom Layer w2: X501.16@-9.1,8 -6,8 -3.3,10.7 -3.3,28 2.3,33.6 7.7,33.6 9.8,35.7 J600.1@9.8,37.5
pads on no net: D400.M1 D502.M1 D503.M1 D504.M1 D602.M1 D603.M1 J400.4 J600.MH1 J600.MH2 J700.M P400.1 P400.20 P400.21 P400.22 P400.23 P400.24 P400.28 P400.29 P400.31 P400.35 P400.37 P400.38 P400.41 P400.42 P400.43 P400.44 P400.46 P400.47 P400.48 P400.49 P400.50 P400.52 P400.53 P400.54 P400.55 P400.56 P400.58 P400.59 P400.60 P400.61 P400.62 P400.63 P400.64 P400.65 P400.66 P400.68 P400.69 P400.75 P400.M S600.0 S600.3 S600.4 S601.0 S601.4 SW500.1' SW600.1 U301.3 U301.8 U301.9 U303.3 U303.8 U303.9 U501.24 U501.25 U501.33 U501.34 U501.35 U501.36 U501.43 U501.44 U600.B3 U600.C2 U600.C3 U600.K4 U600.L2 U603.1 U603.5 U605.1 U605.5 U606.1 U606.5 X300.M X301.M X400.5 X501.1 X501.2 X501.3 X501.7 X501.8 X501.9 X501.10 X501.11 X501.12 X501.13 X501.15

## Polygon pours and split planes (outlines as drawn)
GND on Top Layer "Top Layer-GND 1" (solid, remove dead copper, pour order 38): -14,42 -10,42 -2,50 59,50 59,14 78,14 78,-6 -2,-6 -10,2 -14,2
5V_PO on Top Layer "Top Layer-5V_PO" (solid, pour order 10): 13,29 13,32.1 19.7,32.1 19.7,29.7 16.3,29.7 15.6,29
3V3_PO on Top Layer "Top Layer-3V3_PO" (solid, pour order 4): 13,23.9 19.6,23.9 19.6,21.5 16.2,21.5 15.7,21 13,21
VIN_FUSED on Top Layer "Top Layer-VIN_FUSED" (solid, pour order 0): -4,24.9 0,24.9 1.8,26.7 1.8,28.5 3,28.5 3.3,28.2 6.8,28.2 7.5,28.9 8.7,28.9 8.7,22 2.2,22 0.3,20.1 -1.6,20.1 -1.6,22.1 -2.4,22.9 -4,22.9
GND on Bottom Layer "Bottom Layer-GND 1" (solid, remove dead copper, pour order 46): -14,2 -10,2 -2,-6 9.5,-6 10.5,-5 14,-5 15,-6 26.5,-6 27.5,-5 30.5,-5 31.5,-6 38.5,-6 39.5,-5 43,-5 44,-6 75,-6 ccw(c75,-3) 78,-3 78,14 59,14 59,47 ccw(c56,47) 56,50 49,50 48,49 33.5,49 32.5,50 28,50 27,49 23,49 22,50 19,50 18,49 13.5,49 12.5,50 -2,50 -10,42 -14,42
3V3 on Bottom Layer "Bottom Layer-3V3" (solid, remove dead copper, pour order 44): 12.192,10.922 20.574,19.304 20.574,24.074 26.19,29.69 26.19,37.338 43.688,37.338 43.688,33.02 40.527,33.02 40.52,28.194 40.083,28.194 38.354,28.194 26.287,14.478 50.292,14.478 50.292,4.318 12.192,4.318
GND on Int3 (Sign) "Int3 (Sign)-GND" (solid, pour order 12): -14,42 -10,42 -2,50 59,50 59,14 78,14 78,-3 78,-6 -2,-6 -10,2 -14,2
GND on Int2 (Sign) "Int2 (Sign)-GND" (solid, pour order 16): -14,42 -10,42 -2,50 59,50 59,14 80,14 80,-6 -2,-6 -10,2 -14,2

## Other copper
Top Layer:
  pour cut-out: 47.244,30.226 53.972,30.226 53.979,23.495 47.244,23.495
  text "BaseBoard V1.1" at 56.9,-5.616 h0.6

## Silkscreen, mask and mechanical layers (free items; w line width, h text height)
Top Overlay:
  text "FAN-" at 14,48.4 h1.5 r270
  text "GND" at 16.5,48.4 h1.5 r270
  text "GND" at 19,48.4 h1.5 r270
  text "GND" at 21.5,48.4 h1.5 r270
  text "GND" at 24,48.4 h1.5 r270
  text "GND" at 26.5,48.4 h1.5 r270
  text "FAN+" at 14,44.4 h1.5 r270
  text "VIN" at 16.5,44.4 h1.5 r270
  text "5V*" at 19,44.4 h1.5 r270
  text "5V" at 21.5,44.4 h1.5 r270
  text "3V3*" at 24,44.4 h1.5 r270
  text "3V3" at 26.5,44.4 h1.5 r270
  text "STAT" at 36.2,42.9 h1.5
  text "OBD" at 48.1,42.9 h1.5 r90
  text "HOST" at 42.6,41.3 h1.5
  text "GND" at -0.3,5.9 h2 r90
  text "CANL" at 1.7,5.9 h2 r90
  text "CANH" at 3.7,5.9 h2 r90
  text "5V" at 5.7,5.9 h2 r90
  text "GND" at 40.4,-3.7 h2 r90
  text "CANL" at 42.4,-3.7 h2 r90
  text "CANH" at 44.4,-3.7 h2 r90
  text "5V" at 46.4,-3.7 h2 r90
Bottom Overlay:
  text "1" at 14.6,43.9 h1.2
  text "2" at 15.8,43.9 h1.2
  text "2" at 25.1,43.8 h1.2
  text "3" at 28.6,43.8 h1.2
  text "ALWAYS_ON" at 15,42.5 h1.2
  text "STN_WAKE" at 44.5,39.6 h1.2
  text "PI_WAKE" at 49.8,39.6 h1.2
  text "NO_WAKE" at 27.5,39 h1.2
  text "2 -> VIN" at 17.2,32.3 h1.2
  text "2-3 -> No wake events" at 30.7,32.3 h1.2
  text "3 -> 5V" at 17.2,30.9 h1.2
  text "1-2 -> Always  /          On" at 19.2,28.1 h1.2
  text "PF_3V3" at 9,-5 h1.2
  text "PF_5V" at 25.5,-5 h1.2
  text "WWAN" at 36.3,-5 h1.2
Bottom Paste:
  lines w1.1: 30.847,43.962 ccw(c33.6,44.7) 32.862,41.947 ; 30.847,45.438 cw(c33.6,44.7) 32.862,47.453 ; 34.338,41.947 ccw(c33.6,44.7) 36.353,43.962 ; 34.338,47.453 cw(c33.6,44.7) 36.353,45.438
Mechanical 1:
  lines w0.254: -14,2 -14,42 -10,42 -2,50 12.5,50 13.5,49 18,49 19,50 22,50 23,49 27,49 28,50 32.5,50 33.5,49 48,49 49,50 56,50 cw(c56,47) 59,47 59,14 78,14 78,-3 cw(c75,-3) 75,-6 44,-6 43,-5 39.5,-5 38.5,-6 31.5,-6 30.5,-5 27.5,-5 26.5,-6 15,-6 14,-5 10.5,-5 9.5,-6 -2,-6 -10,2 -14,2 ; -14,2 -14,2

## Text inside footprints (layer, text, board x,y; h text height)
J400: Bottom Mechanical 13/Mechanical 14 "PCB Edge" at 78.255,9.275 h0.7 r90
JP600: Bottom Overlay "3" at 16.9,38.2 h1.2; Bottom Overlay "2" at 20.8,39 h1.2; Bottom Mechanical 13/Mechanical 14 "1" at 18.617,39.514 h0.7; Bottom Mechanical 13/Mechanical 14 "2" at 19.533,39.514 h0.7; Bottom Mechanical 13/Mechanical 14 "3" at 17.733,39.514 h0.7
X501: Top Overlay "9" at -8.2,37.8 h0.7 r270; Top Overlay "1" at -11.1,37.6 h0.7 r270; Top Overlay "16" at -8,10 h0.7 r270; Top Overlay "8" at -11,10 h0.7 r270